# KiCad board lakemountain.kicad_pcb
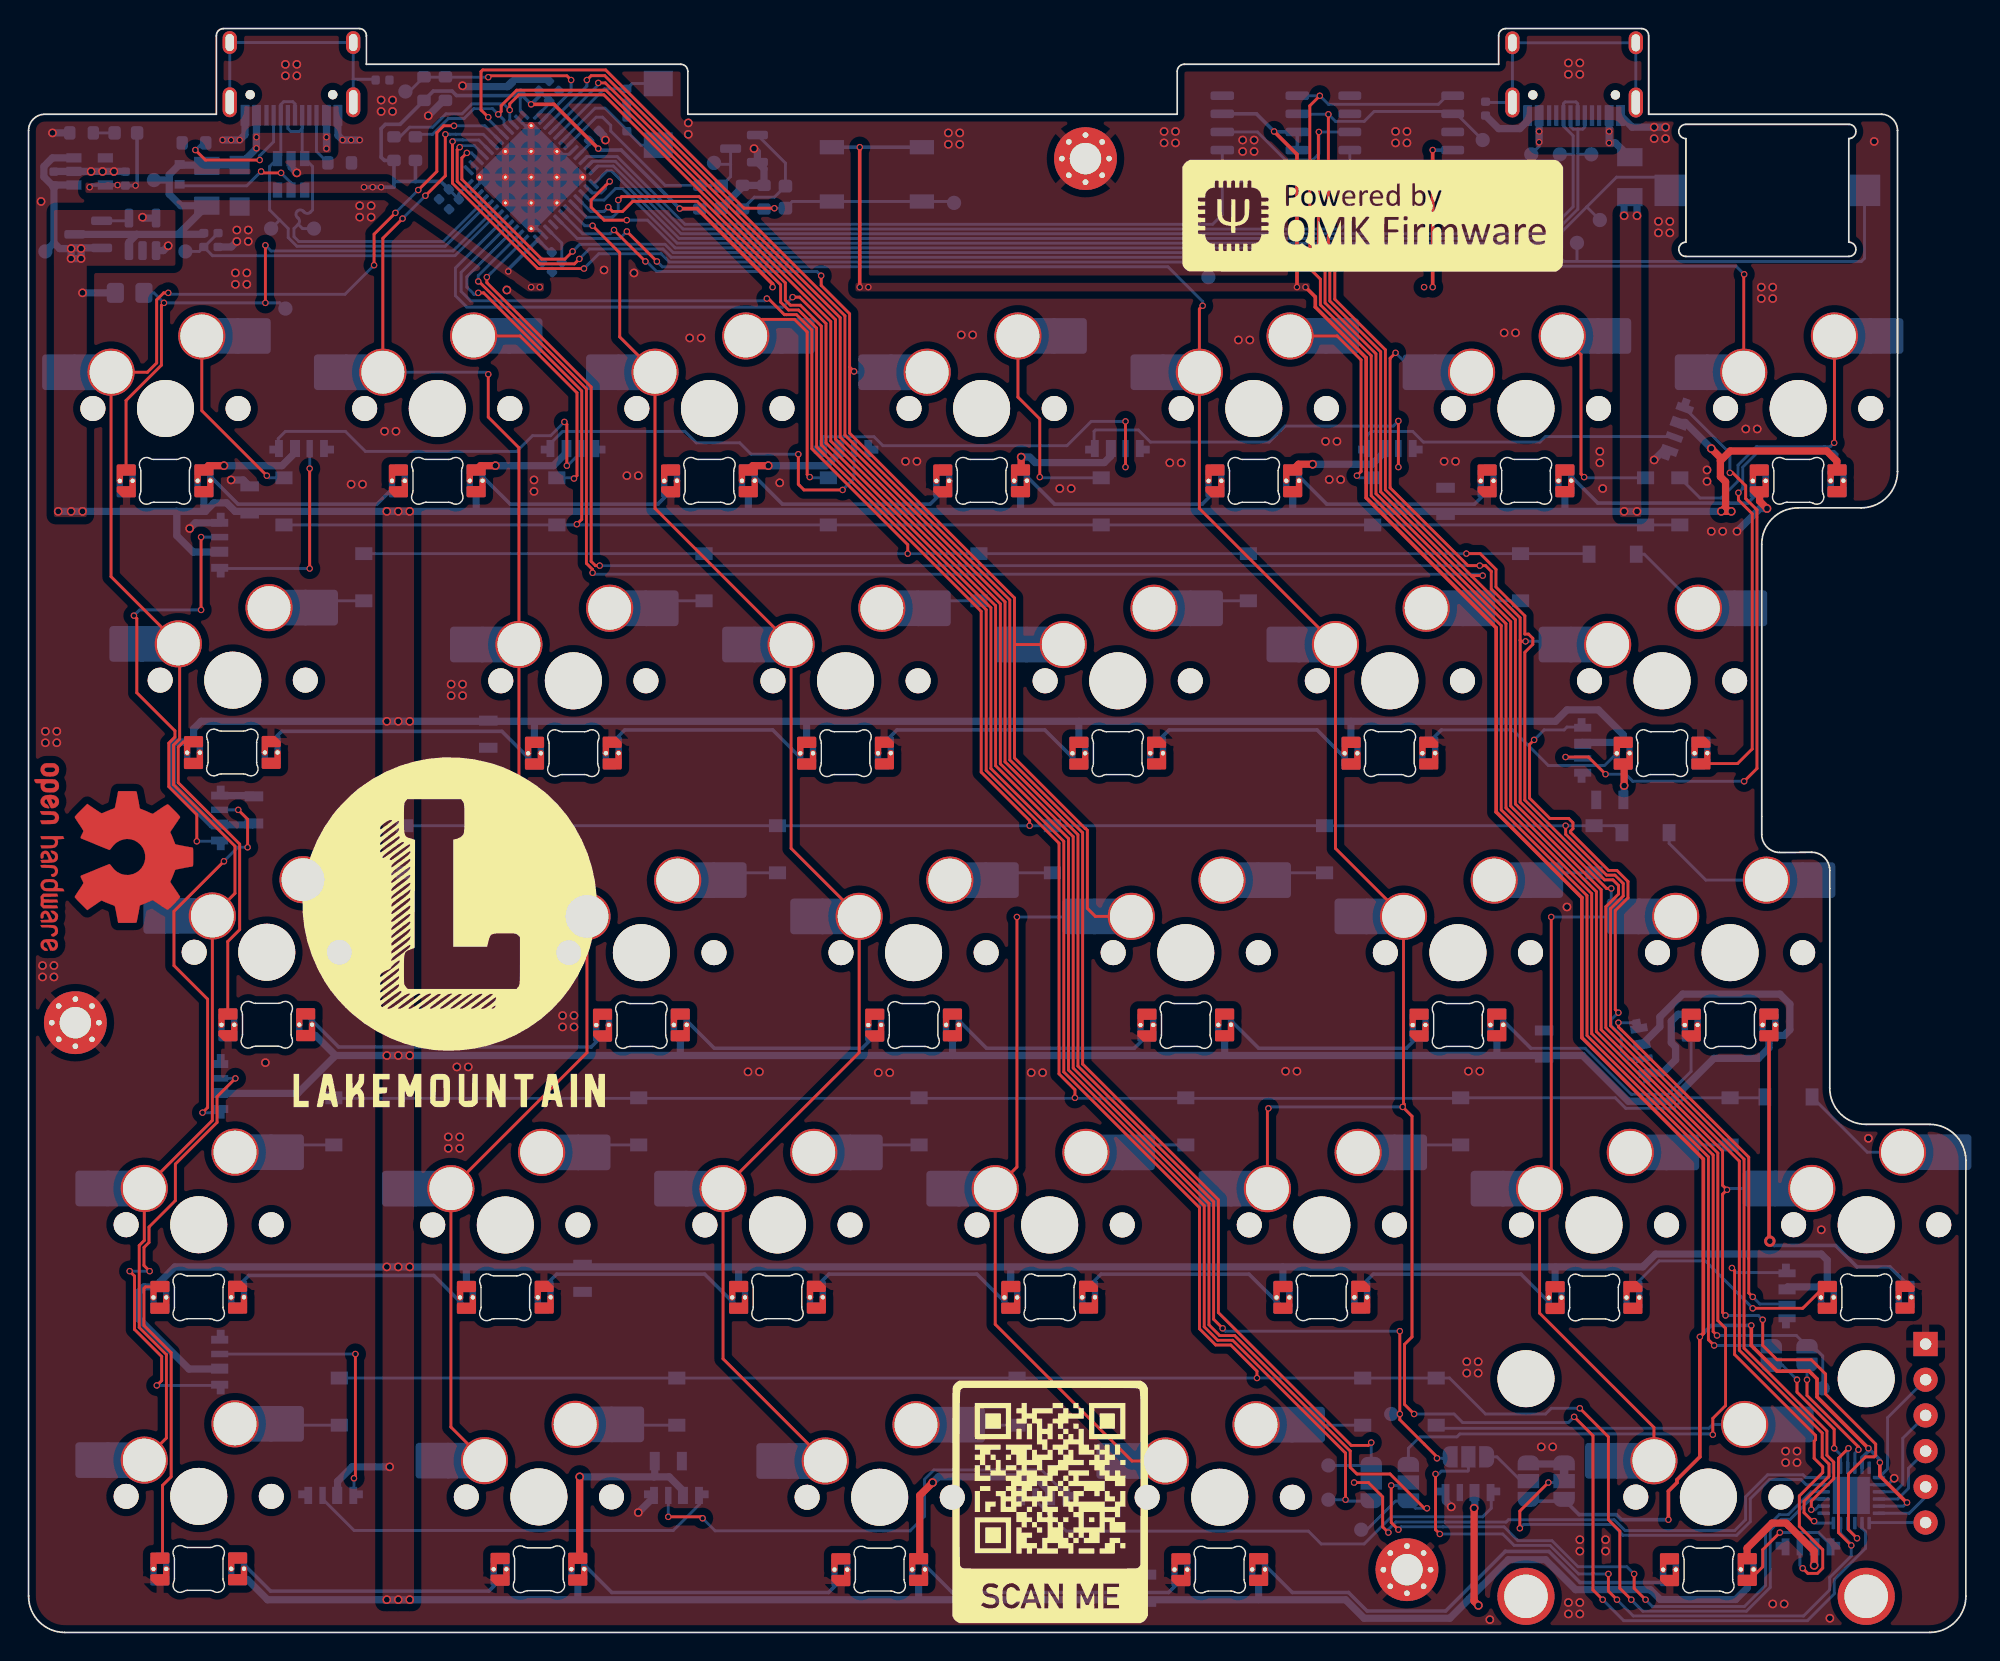
[diagram p0: board, top side]
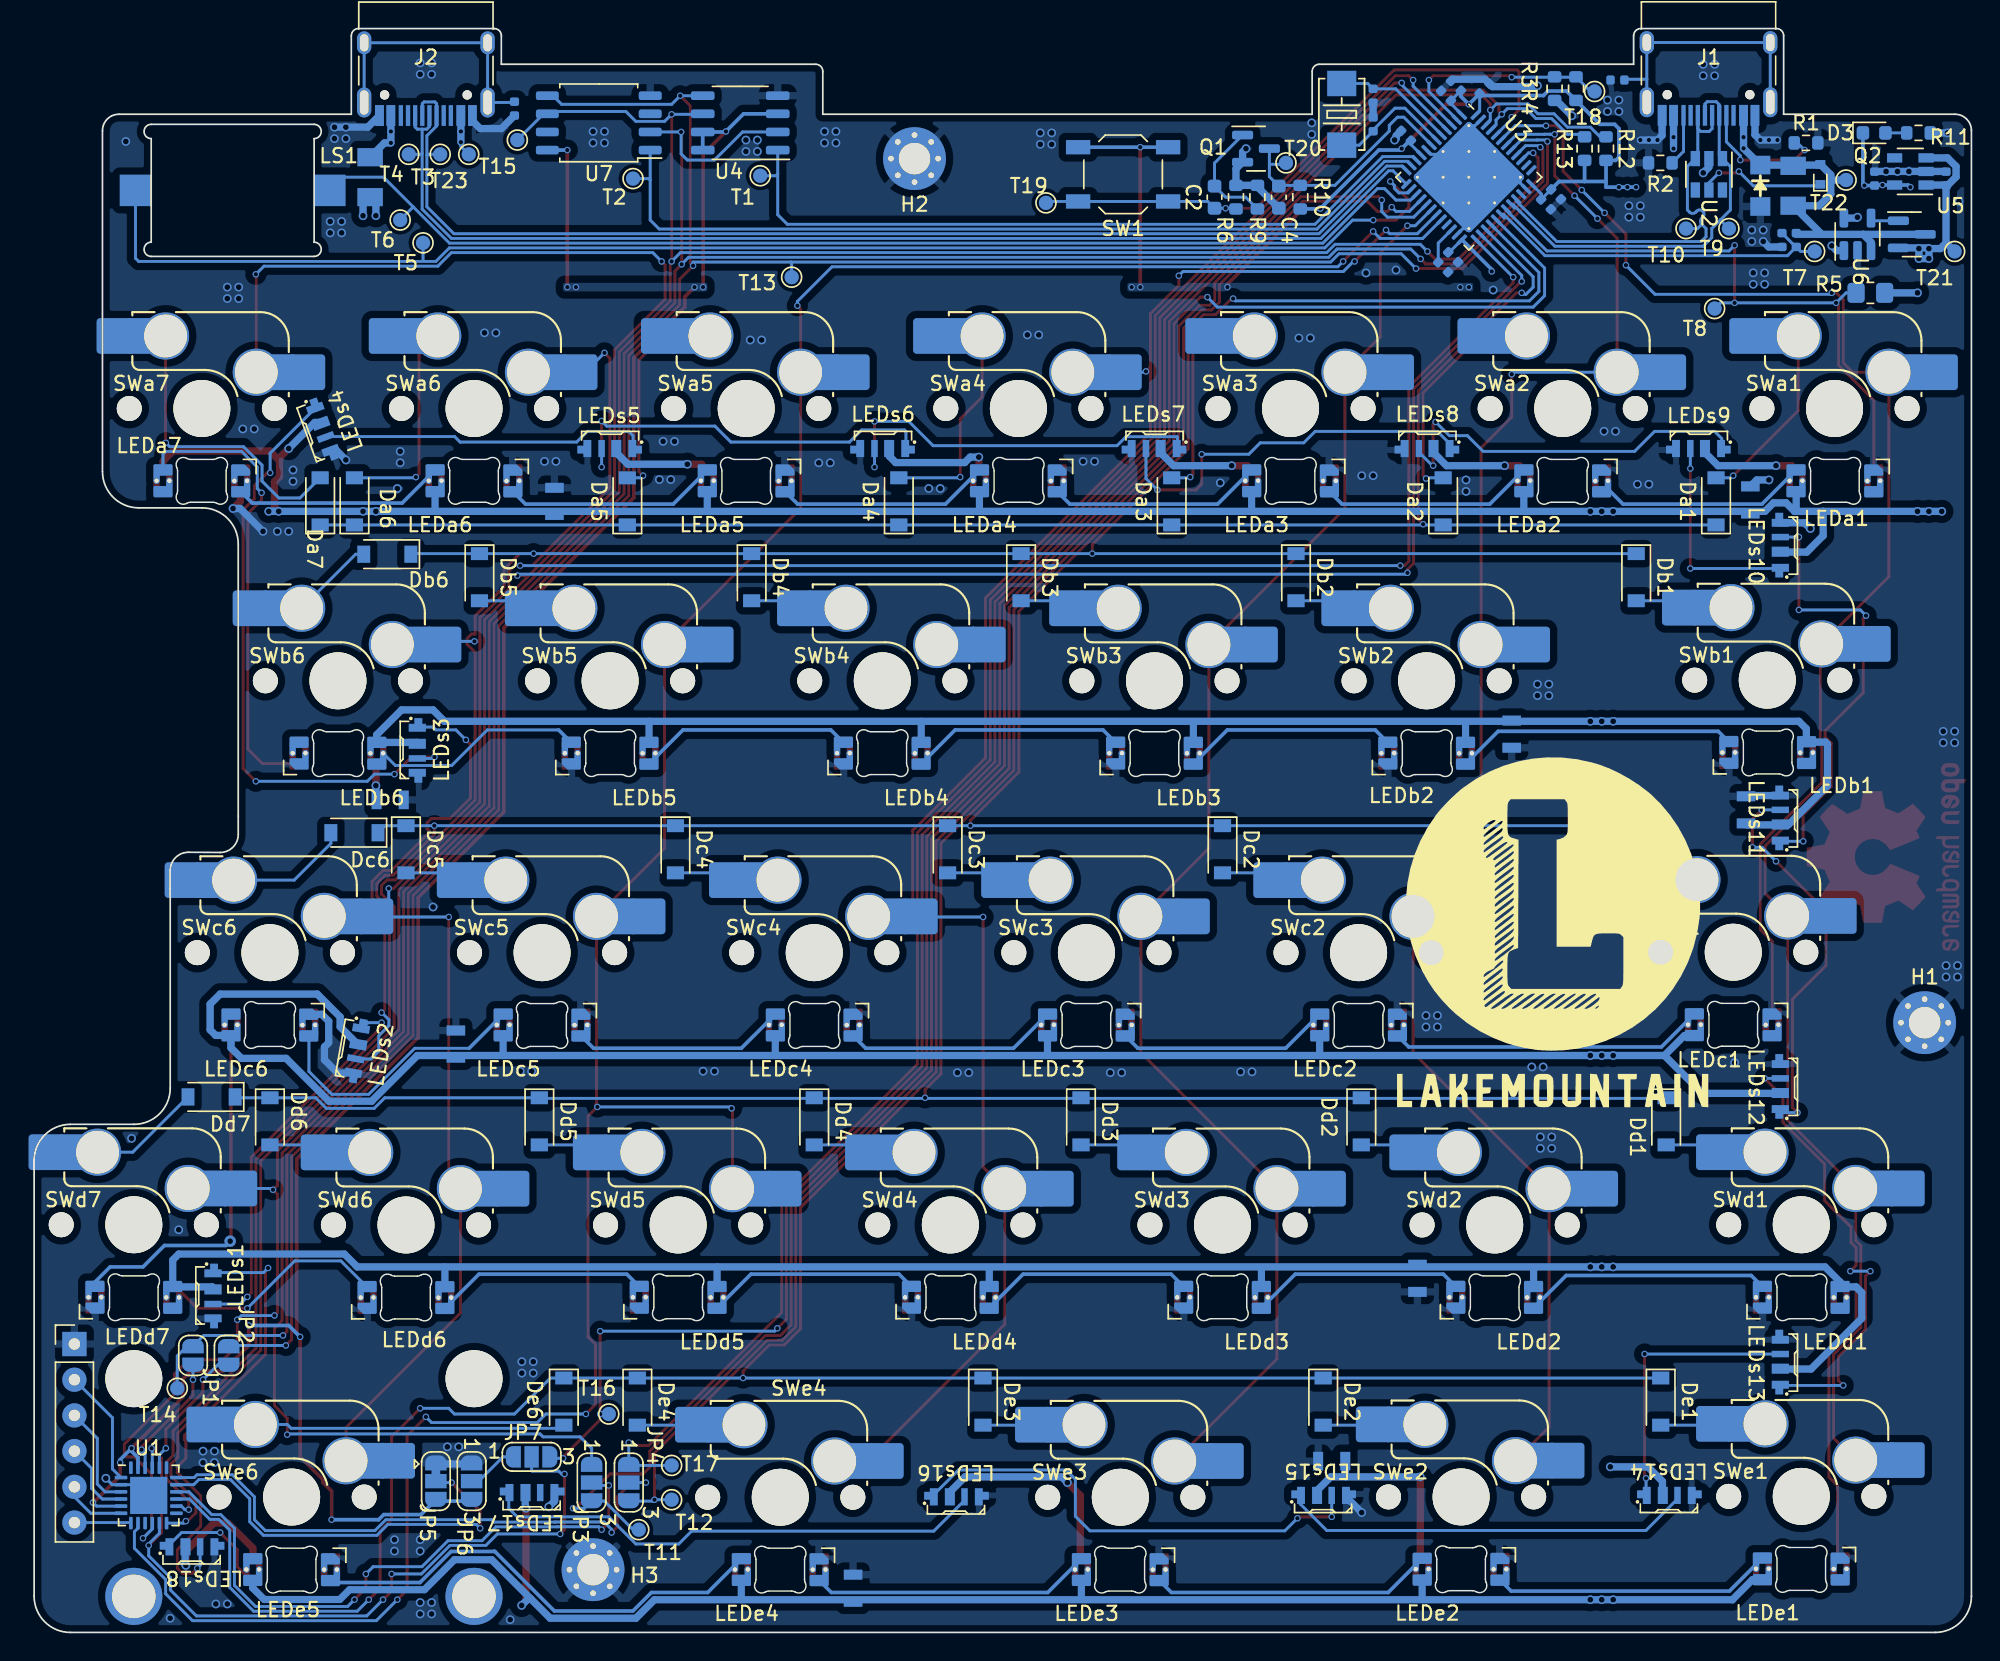
[diagram p1: board, bottom side, seen from below]

Outline 135.6 x 112.3 mm; copper layers: Top, Bottom. Coordinates in mm from the lower left corner of the outline.
Outline path: 0,105.16 arc(0.33,105.96) 1.14,106.3 13.14,106.3 13.14,111.8 arc(13.29,112.15) 13.64,112.3 23.14,112.3 arc(23.5,112.15) 23.64,111.8 23.64,109.8 45.64,109.8 arc(46,109.65) 46.14,109.3 46.14,106.3 80.39,106.3 80.39,109.3 arc(80.54,109.65) 80.89,109.8 102.89,109.8 102.89,111.8 arc(103.04,112.15) 103.39,112.3 112.89,112.3 arc(113.25,112.15) 113.39,111.8 113.39,106.3 129.67,106.3 arc(130.48,105.96) 130.81,105.16 130.81,81.28 arc(130.07,79.48) 128.27,78.74 123.85,78.74 arc(122.05,78) 121.31,76.2 121.31,55.88 arc(121.68,54.98) 122.58,54.61 124.8,54.62 arc(125.7,54.25) 126.07,53.35 126.07,38.11 arc(126.81,36.32) 128.61,35.57 133.06,35.57 arc(134.85,34.83) 135.6,33.03 135.6,2.54 arc(134.85,0.74) 133.06,0 2.54,0 arc(0.74,0.74) 0,2.54 0,105.16
Stack: Top 0.035mm / dielectric 1.51mm FR4 er 4.5 / Bottom 0.035mm

## Placement (name value [footprint] x y rotation side)
C1  cap_1uF_10v_0402  [C_0402_1005Metric]  1.77 101.79 90 bottom
C2  10u  [C_0603_1608Metric]  52.98 100.49 90 bottom
C3  cap_1uF_10v_0402  [C_0402_1005Metric]  6.77 101.79 90 bottom
C4  1u  [C_0603_1608Metric]  48.48 100.49 270 bottom
C5  cap_4.7uF_10v_0402  [C_0402_1005Metric]  36.98 95.59 225 bottom
C6  100n  [C_0805]  110.67 58.29 180 bottom
C7  100n  [C_0805]  44.77 11.99 180 bottom
C8  cap_20pF_50v_0402  [C_0402_1005Metric]  41.88 107.59 270 bottom
C9  cap_20pF_50v_0402  [C_0402_1005Metric]  41.88 105.59 90 bottom
C10  cap_100nF_16v_0402  [C_0402_1005Metric]  36.07 108.29 45 bottom
C11  cap_100nF_16v_0402  [C_0402_1005Metric]  36.77 107.59 45 bottom
C12  100n  [C_0805]  15.77 57.59 90 bottom
C13  cap_100nF_16v_0402  [C_0402_1005Metric]  34.07 108.09 135 bottom
C14  cap_100nF_16v_0402  [C_0402_1005Metric]  29.07 100.69 225 bottom
C15  cap_4.7uF_10v_0402  [C_0402_1005Metric]  36.27 96.29 225 bottom
C16  cap_100nF_16v_0402  [C_0402_1005Metric]  39.57 104.79 45 bottom
C17  cap_100nF_16v_0402  [C_0402_1005Metric]  29.77 99.99 225 bottom
C18  10u  [C_0805]  15.48 79.29 90 bottom
C19  100n  [C_0805]  99.17 79.19 90 bottom
C20  100n  [C_0805]  32.18 62.89 90 bottom
C21  100n  [C_0805]  106.07 41.19 90 bottom
C22  100n  [C_0805]  38.77 24.79 90 bottom
C23  100n  [C_0805]  78.28 3.09 90 bottom
D1  PMEG2010AEB  [D_SOD-523]  10.57 102.09 90 bottom
D2  SMF5.0A  [D_SOD-123FL]  14.77 101.29 270 bottom
D3  LED  [LED_0603_1608Metric]  6.81 104.99 180 bottom
Da1  D  [D_SOD-123]  17.88 79.19 90 bottom
Da2  D  [D_SOD-123]  36.98 79.19 90 bottom
Da3  D  [D_SOD-123]  55.98 79.19 90 bottom
Da4  D  [D_SOD-123]  75.07 79.19 90 bottom
Da5  D  [D_SOD-123]  94.07 79.19 90 bottom
Da6  D  [D_SOD-123]  113.17 79.19 90 bottom
Da7  D  [D_SOD-123]  115.57 79.19 90 bottom
Db1  D  [D_SOD-123]  23.46 73.88 270 bottom
Db2  D  [D_SOD-123]  47.27 73.88 270 bottom
Db3  D  [D_SOD-123]  66.51 73.88 270 bottom
Db4  D  [D_SOD-123]  85.37 73.88 270 bottom
Db5  D  [D_SOD-123]  104.42 73.88 270 bottom
Db6  D  [D_SOD-123]  110.88 75.49 0 bottom
Dc1  D  [D_SOD-123]  26.32 54.83 270 bottom
Dc2  D  [D_SOD-123]  52.42 54.83 270 bottom
Dc3  D  [D_SOD-123]  71.66 54.83 270 bottom
Dc4  D  [D_SOD-123]  90.71 54.83 270 bottom
Dc5  D  [D_SOD-123]  109.57 54.83 270 bottom
Dc6  D  [D_SOD-123]  113.17 55.99 0 bottom
Dd1  D  [D_SOD-123]  21.37 35.78 270 bottom
Dd2  D  [D_SOD-123]  42.7 35.78 270 bottom
Dd3  D  [D_SOD-123]  62.32 35.78 270 bottom
Dd4  D  [D_SOD-123]  80.99 35.78 270 bottom
Dd5  D  [D_SOD-123]  100.23 35.78 270 bottom
Dd6  D  [D_SOD-123]  119.09 35.78 270 bottom
Dd7  D  [D_SOD-123]  123.17 37.49 0 bottom
De1  D  [D_SOD-123]  21.75 16.16 270 bottom
De2  D  [D_SOD-123]  45.37 16.16 270 bottom
De3  D  [D_SOD-123]  69.18 16.16 270 bottom
De4  D  [D_SOD-123]  93.38 16.16 270 bottom
De6  D  [D_SOD-123]  98.52 16.16 270 bottom
F1  3A  [F1206]  12.48 101.29 90 bottom
F2  1.5A  [F1206]  112.07 101.89 270 bottom
FB1  fb_0402_26ohm  [R_0402_1005Metric]  24.77 108.69 0 bottom
FB2  fb_0402_26ohm  [R_0402_1005Metric]  101.97 106.69 270 bottom
G***  -  [LOGO]  71.57 9.19 0 top
G***#2  -  [LOGO]  29.77 49.89 0 top
G***#3  -  [LOGO]  28.98 49.89 180 bottom
H1  M2  [MountingHole_2.2mm_M2_Pad_Via]  3.27 42.69 180 bottom
H2  M2  [MountingHole_2.2mm_M2_Pad_Via]  73.97 103.19 180 bottom
H3  M2  [MountingHole_2.2mm_M2_Pad_Via]  96.47 4.39 180 bottom
J1  USB_EXT  [USB_C_Receptacle_HRO_TYPE-C-31-M-12]  18.4 110.27 0 bottom
J2  USB_Link  [USB_C_Receptacle_HRO_TYPE-C-31-M-12]  108.17 110.25 0 bottom
J3  Conn_01x06  [PogoPin_1x06_P2.5]  132.78 20.19 180 bottom
JP1  SPI_SEL  [SolderJumper-2_P1.3mm_Open_RoundedPad1.0x1.5mm]  124.47 19.39 90 bottom
JP2  SPI_SEL  [SolderJumper-2_P1.3mm_Open_RoundedPad1.0x1.5mm]  121.97 19.39 90 bottom
JP3  I2C/SPI  [SolderJumper-3_P1.3mm_Open_RoundedPad1.0x1.5mm_NumberLabels]  96.57 10.49 270 bottom
JP4  I2C/SPI  [SolderJumper-3_P1.3mm_Open_RoundedPad1.0x1.5mm_NumberLabels]  93.97 10.49 270 bottom
JP5  MUX_EN  [SolderJumper-3_P1.3mm_Bridged12_RoundedPad1.0x1.5mm]  107.47 10.59 270 bottom
JP6  MUX_SEL  [SolderJumper-3_P1.3mm_Open_RoundedPad1.0x1.5mm_NumberLabels]  104.97 10.59 270 bottom
JP7  MUX_SEL  [SolderJumper-3_P1.3mm_Open_RoundedPad1.0x1.5mm_NumberLabels]  100.78 12.29 180 bottom
LEDa1  MX_SK6812MINI-E  [LED_MX_6028R_Flipped]  9.56 80.63 180 bottom
LEDa2  MX_SK6812MINI-E  [LED_MX_6028R_Flipped]  28.61 80.63 180 bottom
LEDa3  MX_SK6812MINI-E  [LED_MX_6028R_Flipped]  47.66 80.63 180 bottom
LEDa4  MX_SK6812MINI-E  [LED_MX_6028R_Flipped]  66.71 80.63 180 bottom
LEDa5  MX_SK6812MINI-E  [LED_MX_6028R_Flipped]  85.76 80.63 180 bottom
LEDa6  MX_SK6812MINI-E  [LED_MX_6028R_Flipped]  104.81 80.63 180 bottom
LEDa7  MX_SK6812MINI-E  [LED_MX_6028R_Flipped]  123.86 80.63 180 bottom
LEDb1  MX_SK6812MINI-E  [LED_MX_6028R]  14.26 61.61 180 bottom
LEDb2  MX_SK6812MINI-E  [LED_MX_6028R]  38.13 61.57 180 bottom
LEDb3  MX_SK6812MINI-E  [LED_MX_6028R]  57.18 61.57 180 bottom
LEDb4  MX_SK6812MINI-E  [LED_MX_6028R]  76.23 61.57 180 bottom
LEDb5  MX_SK6812MINI-E  [LED_MX_6028R]  95.28 61.57 180 bottom
LEDb6  MX_SK6812MINI-E  [LED_MX_6028R]  114.33 61.57 180 bottom
LEDc1  MX_SK6812MINI-E  [LED_MX_6028R_Flipped]  16.67 42.55 180 bottom
LEDc2  MX_SK6812MINI-E  [LED_MX_6028R_Flipped]  42.89 42.53 180 bottom
LEDc3  MX_SK6812MINI-E  [LED_MX_6028R_Flipped]  61.94 42.53 180 bottom
LEDc4  MX_SK6812MINI-E  [LED_MX_6028R_Flipped]  80.99 42.53 180 bottom
LEDc5  MX_SK6812MINI-E  [LED_MX_6028R_Flipped]  100.04 42.53 180 bottom
LEDc6  MX_SK6812MINI-E  [LED_MX_6028R_Flipped]  119.09 42.53 180 bottom
LEDd1  MX_SK6812MINI-E  [LED_MX_6028R]  11.91 23.47 180 bottom
LEDd2  MX_SK6812MINI-E  [LED_MX_6028R]  33.37 23.47 180 bottom
LEDd3  MX_SK6812MINI-E  [LED_MX_6028R]  52.42 23.47 180 bottom
LEDd4  MX_SK6812MINI-E  [LED_MX_6028R]  71.47 23.47 180 bottom
LEDd5  MX_SK6812MINI-E  [LED_MX_6028R]  90.52 23.47 180 bottom
LEDd6  MX_SK6812MINI-E  [LED_MX_6028R]  109.57 23.45 180 bottom
LEDd7  MX_SK6812MINI-E  [LED_MX_6028R]  128.62 23.47 180 bottom
LEDe1  MX_SK6812MINI-E  [LED_MX_6028R_Flipped]  11.91 4.45 180 bottom
LEDe2  MX_SK6812MINI-E  [LED_MX_6028R_Flipped]  35.72 4.42 180 bottom
LEDe3  MX_SK6812MINI-E  [LED_MX_6028R_Flipped]  59.57 4.4 180 bottom
LEDe4  MX_SK6812MINI-E  [LED_MX_6028R_Flipped]  83.37 4.4 180 bottom
LEDe5  MX_SK6812MINI-E  [LED_MX_6028R_Flipped]  117.57 4.4 180 bottom
LEDs1  MX_SK6812MINI-E  [sk6812side]  123.28 23.59 270 bottom
LEDs2  MX_SK6812MINI-E  [sk6812side]  113.17 40.79 280 bottom
LEDs3  MX_SK6812MINI-E  [sk6812side]  108.97 61.79 270 bottom
LEDs4  MX_SK6812MINI-E  [sk6812side]  115.57 84.19 250 bottom
LEDs5  MX_SK6812MINI-E  [sk6812side]  95.28 83.09 0 bottom
LEDs6  MX_SK6812MINI-E  [sk6812side]  76.17 83.09 0 bottom
LEDs7  MX_SK6812MINI-E  [sk6812side]  57.18 83.09 0 bottom
LEDs8  MX_SK6812MINI-E  [sk6812side]  38.07 83.09 0 bottom
LEDs9  MX_SK6812MINI-E  [sk6812side]  19.07 83.09 0 bottom
LEDs10  MX_SK6812MINI-E  [sk6812side]  13.18 76.09 90 bottom
LEDs11  MX_SK6812MINI-E  [sk6812side]  13.18 56.99 90 bottom
LEDs12  MX_SK6812MINI-E  [sk6812side]  13.18 38.19 90 bottom
LEDs13  MX_SK6812MINI-E  [sk6812side]  13.18 18.89 90 bottom
LEDs14  MX_SK6812MINI-E  [sk6812side]  21.18 9.39 180 bottom
LEDs15  MX_SK6812MINI-E  [sk6812side]  45.38 9.39 180 bottom
LEDs16  MX_SK6812MINI-E  [sk6812side]  71.07 9.29 180 bottom
LEDs17  MX_SK6812MINI-E  [sk6812side]  100.78 9.59 180 bottom
LEDs18  MX_SK6812MINI-E  [sk6812side]  124.57 5.79 180 bottom
LOGO1  QMK Logo  [QMK_PoweredBy]  94.07 99.19 0 top
LS1  Buzzer  [Buzzer_Mallory_AST1109MLTRQ]  121.7 100.97 0 bottom
Q1  2N7002  [SOT-23]  50.07 103.89 180 bottom
Q2  AO3401A  [SOT-23]  4.18 97.89 180 bottom
R1  5.1k  [R_0603_1608Metric]  11.57 104.29 0 bottom
R2  5.1k  [R_0603_1608Metric]  21.77 102.89 180 bottom
R3  10k  [R_0603_1608Metric]  27.68 108.09 90 bottom
R4  10k  [R_0603_1608Metric]  29.18 108.09 270 bottom
R5  5.1k  [R_0805_2012Metric_Pad1.20x1.40mm_HandSolder]  7.07 93.79 180 bottom
R6  10k  [R_0603_1608Metric]  51.48 100.49 90 bottom
R7  r_4.7k_0402_1p  [R_0402_1005Metric]  12.26 97.49 270 bottom
R8  r_10k_0402_1p  [R_0402_1005Metric]  13.26 97.49 270 bottom
R9  100k  [R_0603_1608Metric]  49.98 100.49 90 bottom
R10  10k  [R_0603_1608Metric]  46.98 100.49 90 bottom
R11  2k2  [R_0603_1608Metric]  3.71 104.99 180 bottom
R12  5.1k  [R_0603_1608Metric]  25.57 103.89 90 bottom
R13  5.1k  [R_0603_1608Metric]  27.07 103.89 90 bottom
REF**  -  [OSHW-Logo2_14.6x12mm_Copper]  5.98 54.29 270 top
S2  MX_stab  [STAB_MX_P_2.25u]  116.71 9.51 180 top
SW1  Reset  [SW_SPST_TL3342]  59.38 102.09 0 bottom
SWa1  MX_SW_HS  [SW_MX_HS_1u]  9.58 85.7 180 bottom
SWa2  MX_SW_HS  [SW_MX_HS_1u]  28.61 85.7 180 bottom
SWa3  MX_SW_HS  [SW_MX_HS_1u]  47.66 85.7 180 bottom
SWa4  MX_SW_HS  [SW_MX_HS_1u]  66.71 85.7 180 bottom
SWa5  MX_SW_HS  [SW_MX_HS_1u]  85.76 85.7 180 bottom
SWa6  MX_SW_HS  [SW_MX_HS_1u]  104.81 85.7 180 bottom
SWa7  MX_SW_HS  [SW_MX_HS_1u]  123.86 85.7 180 bottom
SWb1  MX_SW_HS  [SW_MX_HS_1.5u]  14.29 66.68 180 bottom
SWb2  MX_SW_HS  [SW_MX_HS_1u]  38.13 66.63 180 bottom
SWb3  MX_SW_HS  [SW_MX_HS_1u]  57.18 66.63 180 bottom
SWb4  MX_SW_HS  [SW_MX_HS_1u]  76.23 66.63 180 bottom
SWb5  MX_SW_HS  [SW_MX_HS_1u]  95.28 66.63 180 bottom
SWb6  MX_SW_HS  [SW_MX_HS_1u]  114.33 66.63 180 bottom
SWc1  MX_SW_HS  [SW_MX_HS_1.75u]  16.67 47.63 180 bottom
SWc2  MX_SW_HS  [SW_MX_HS_1u]  42.89 47.6 180 bottom
SWc3  MX_SW_HS  [SW_MX_HS_1u]  61.94 47.6 180 bottom
SWc4  MX_SW_HS  [SW_MX_HS_1u]  80.99 47.6 180 bottom
SWc5  MX_SW_HS  [SW_MX_HS_1u]  100.04 47.6 180 bottom
SWc6  MX_SW_HS  [SW_MX_HS_1u]  119.09 47.6 180 bottom
SWd1  MX_SW_HS  [SW_MX_HS_1.25u]  11.91 28.55 180 bottom
SWd2  MX_SW_HS  [SW_MX_HS_1u]  33.37 28.53 180 bottom
SWd3  MX_SW_HS  [SW_MX_HS_1u]  52.42 28.53 180 bottom
SWd4  MX_SW_HS  [SW_MX_HS_1u]  71.47 28.53 180 bottom
SWd5  MX_SW_HS  [SW_MX_HS_1u]  90.52 28.53 180 bottom
SWd6  MX_SW_HS  [SW_MX_HS_1u]  109.57 28.53 180 bottom
SWd7  MX_SW_HS  [SW_MX_HS_1u]  128.62 28.55 180 bottom
SWe1  MX_SW_HS  [SW_MX_HS_1.25u]  11.91 9.53 180 bottom
SWe2  MX_SW_HS  [SW_MX_HS_1.25u]  35.72 9.49 180 bottom
SWe3  MX_SW_HS  [SW_MX_HS_1.25u]  59.57 9.46 180 bottom
SWe4  MX_SW_HS  [SW_MX_HS_1.25u]  83.37 9.46 180 bottom
SWe6  MX_SW_HS  [SW_MX_HS_1.25u]  117.57 9.48 180 bottom
T1  TP  [TestPoint_Pad_D1.0mm]  84.78 101.99 180 bottom
T2  TP  [TestPoint_Pad_D1.0mm]  93.67 101.79 180 bottom
T3  TP  [TestPoint_Pad_D1.0mm]  107.17 103.49 180 bottom
T4  TP  [TestPoint_Pad_D1.0mm]  109.38 103.49 180 bottom
T5  TP  [TestPoint_Pad_D1.0mm]  108.38 97.29 180 bottom
T6  TP  [TestPoint_Pad_D1.0mm]  109.97 98.89 180 bottom
T7  TP  [TestPoint_Pad_D1.0mm]  10.98 96.69 180 bottom
T8  TP  [TestPoint_Pad_D1.0mm]  17.98 92.69 180 bottom
T9  TP  [TestPoint_Pad_D1.0mm]  16.98 98.29 180 bottom
T10  TP  [TestPoint_Pad_D1.0mm]  19.98 98.29 180 bottom
T11  TP  [TestPoint_Pad_D1.0mm]  93.28 7.19 180 bottom
T12  TP  [TestPoint_Pad_D1.0mm]  90.97 9.29 180 bottom
T13  TP  [TestPoint_Pad_D1.0mm]  82.57 94.89 180 bottom
T14  TP  [TestPoint_Pad_D1.0mm]  125.57 17.09 180 bottom
T15  TP  [TestPoint_Pad_D1.0mm]  101.78 104.49 180 bottom
T16  TP  [TestPoint_Pad_D1.0mm]  95.38 15.29 180 bottom
T17  TP  [TestPoint_Pad_D1.0mm]  90.97 11.69 180 bottom
T18  TP  [TestPoint_Pad_D1.0mm]  26.38 107.89 180 bottom
T19  TP  [TestPoint_Pad_D1.0mm]  64.78 100.09 180 bottom
T20  TP  [TestPoint_Pad_D1.0mm]  47.98 102.89 180 bottom
T21  TP  [TestPoint_Pad_D1.0mm]  1.18 96.69 180 bottom
T22  TP  [TestPoint_Pad_D1.0mm]  8.77 101.69 180 bottom
T23  TP  [TestPoint_Pad_D1.0mm]  105.17 103.49 180 bottom
U1  TS3A27518ERTW  [WQFN-24-1EP_4x4mm_P0.5mm_EP2.6x2.6mm]  127.57 9.59 180 bottom
U2  SRV05-4  [SOT-23-6]  18.38 102.09 270 bottom
U3  STM32F411CEU6  [QFN-48-1EP_7x7mm_P0.5mm_EP5.6x5.6mm_ThermalVias]  35.18 101.89 225 bottom
U4  MB85RS64PNF-G-JNERE1  [SOP-8_3.9x4.9mm_P1.27mm]  86.17 105.69 0 bottom
U5  AAP2967-33VIR1  [SOT-23-5#2]  4.27 102.29 180 bottom
U6  LMV321  [SOT-23-5]  7.98 97.89 90 bottom
U7  W25Q128JVSIQ  [SOIC-8_5.23x5.23mm_P1.27mm]  96.07 105.69 0 bottom
Y1  SMD-CRYSTAL-8MHZ-20PF-10PPM_2P-5.0X3.2MM_  [X2-SMD-5.0X3.2X1.3MM]  44.07 106.29 270 bottom

## Library data of the parts
C1 C3 = -: Display value: 1uF; LCSC: C52923; MPN: CC0402KRX5R6BB105; Mfg: Yageo
C2 = -: LCSC: C19702
C4 = -: JLCPCB BOM: 1; LCSC Part: C15849
C5 C15 = -: Display value: 4.7uF; LCSC: C23733; MPN: CL05A475MP5NRNC; Mfg: Samsung
C6 C7 C12 C19-C23 = -: LCSC: C495959
C8 C9 = -: Display value: 20pF; LCSC: C1554; MPN: 0402CG200J500NT; Mfg: Guangdong Fenghua Advanced Tech
C10 C11 C13 C14 C16 C17 = -: Display value: 0.1uF; LCSC: C1525; MPN: CL05B104KO5NNNC; Mfg: Samsung
C18 = -: LCSC: C90544
D1 = -: LCSC: C282563
D2 = -: LCSC: C193402
D3 = -: JLCPCB BOM: 0; LCSC Part: C72041
Da1-Da7 Db1-Db6 Dc1-Dc6 Dd1-Dd7 De1-De4 De6 = -: LCSC: C81598
F1 F2 = -: LCSC: C66452; MPN: SMD0805-050
FB1 FB2 = -: Display value: 26ohm; LCSC: C668229; MPN: CBG100505U260T; Mfg: FH
J1 J2 = -: LCSC: C165948; Mouser: C165948
LEDa1-LEDa7 LEDb1-LEDb6 LEDc1-LEDc6 LEDd1-LEDd7 LEDe1-LEDe5 = -: Field5: 1
Q1 = -: JLCPCB BOM: 1; LCSC Part: C8545
Q2 = -: JLCPCB BOM: 1; LCSC Part: C15127
R1 R2 R5 R12 R13 = -: LCSC: C104384; Mouser: C27834
R3 = -: JLCPCB BOM: 1; LCSC: C25804
R4 = -: JLCPCB BOM: 0; LCSC: C25804
R6 R10 = -: LCSC: C25804
R7 = -: Display value: 4.7k; LCSC: C25900; MPN: 0402WGF4701TCE
R8 = -: Display value: 10k; LCSC: C25744; MPN: 0402WGF1002TCE
R9 = -: LCSC: C25803
R11 = -: LCSC: C4190
SW1 = -: LCSC: C318884; Mouser: C318884
U1 = -: LCSC: C2651937
U2 = -: LCSC: C85364
U3 = -: LCSC: C60420
U4 = -: LCSC: C8741
U5 = -: LCSC: C370742
U6 = -: JLCPCB BOM: 1; LCSC Part: C90297
U7 = -: LCSC: C97521
Y1 = -: LCSC: C115962; MPN: X50328MSB2GI

## Footprints (pads in the part's own frame, mm; a bottom-side part is the same pattern mirrored in y, then rotated)
Buzzer_Mallory_AST1109MLTRQ
  rect 2.2x2.2 smd: 1(-6.8,0) 2(6.8,0)
C_0402_1005Metric
  rrect 0.59x0.64 smd: 1(-0.485,0) 2(0.485,0)
C_0603_1608Metric
  rrect 0.9x0.95 smd: 1(-0.775,0) 2(0.775,0)
C_0805
  rect 0.7x1.3 smd: 1(-0.95,0) 2(0.95,0)
D_SOD-123
  rect 0.9x1.2 smd: 1(-1.65,0) 2(1.65,0)
D_SOD-123FL
  rect 1.3x1.4 smd: 1(-1.45,0) 2(1.45,0)
D_SOD-523
  rect 0.6x0.7 smd: 1(-0.7,0) 2(0.7,0)
F1206
  rect 1.27x1.778 smd: 1(-1.397,0) 2(1.397,0)
LED_0603_1608Metric
  rrect 0.875x0.95 smd: 1(-0.787,0) 2(0.787,0)
LED_MX_6028R
  round 0.457 hole 0.305: 1(2.274,-0.01) 2(3.168,-0.01) 3(-3.168,0) 4(-2.274,0)
  custom 1.342x1.17 smd far side: 1(2.71,-0.74) 2(2.73,0.73) 3(-2.732,-0.73)
  custom 1.342x1.17 smd: 1(2.71,0.73) 2(2.73,-0.74) 3(-2.732,0.74)
  custom 1.338x1.25 smd: 4(-2.7,-0.75)
  custom 1.338x1.25 smd far side: 4(-2.7,0.76)
LED_MX_6028R_Flipped
  custom 1.342x1.17 smd: 1(-2.71,-0.73) 2(-2.73,0.74) 3(2.732,-0.74)
  custom 1.342x1.17 smd far side: 1(-2.71,0.74) 2(-2.73,-0.73) 3(2.732,0.73)
  round 0.457 hole 0.305: 1(-2.274,0.01) 2(-3.168,0.01) 3(3.168,0) 4(2.274,0)
  custom 1.338x1.25 smd far side: 4(2.7,-0.76)
  custom 1.338x1.25 smd: 4(2.7,0.75)
MountingHole_2.2mm_M2_Pad_Via
  round 0.7 hole 0.4: 1(-1.65,0) 1(-1.167,-1.167) 1(-1.167,1.167) 1(0,-1.65) 1(0,1.65) 1(1.167,-1.167) 1(1.167,1.167) 1(1.65,0)
  round 4.4 hole 2.2: 1(0,0)
PogoPin_1x06_P2.5
  rect 1.7x1.7 hole 0.8: 1(0,0)
  oval 1.7x1.7 hole 0.8: 2(0,-2.5) 3(0,-5) 4(0,-7.5) 5(0,-10) 6(0,-12.5)
QFN-48-1EP_7x7mm_P0.5mm_EP5.6x5.6mm_ThermalVias
  rrect 1.084x1.084 smd: (-1.913,-1.913) (-1.913,-0.637) (-1.913,0.637) (-1.913,1.913) (-0.637,-1.913) (-0.637,-0.637) (-0.637,0.637) (-0.637,1.913) (0.637,-1.913) (0.637,-0.637) (0.637,0.637) (0.637,1.913) (1.913,-1.913) (1.913,-0.637) (1.913,0.637) (1.913,1.913)
  rrect 0.875x0.25 smd: 1(-3.438,2.75) 2(-3.438,2.25) 3(-3.438,1.75) 4(-3.438,1.25) 5(-3.438,0.75) 6(-3.438,0.25) 7(-3.438,-0.25) 8(-3.438,-0.75) 9(-3.438,-1.25) 10(-3.438,-1.75) 11(-3.438,-2.25) 12(-3.438,-2.75) 25(3.438,-2.75) 26(3.438,-2.25) 27(3.438,-1.75) 28(3.438,-1.25) 29(3.438,-0.75) 30(3.438,-0.25) 31(3.438,0.25) 32(3.438,0.75) 33(3.438,1.25) 34(3.438,1.75) 35(3.438,2.25) 36(3.438,2.75)
  rrect 0.25x0.875 smd: 13(-2.75,-3.438) 14(-2.25,-3.438) 15(-1.75,-3.438) 16(-1.25,-3.438) 17(-0.75,-3.438) 18(-0.25,-3.438) 19(0.25,-3.438) 20(0.75,-3.438) 21(1.25,-3.438) 22(1.75,-3.438) 23(2.25,-3.438) 24(2.75,-3.438) 37(2.75,3.438) 38(2.25,3.438) 39(1.75,3.438) 40(1.25,3.438) 41(0.75,3.438) 42(0.25,3.438) 43(-0.25,3.438) 44(-0.75,3.438) 45(-1.25,3.438) 46(-1.75,3.438) 47(-2.25,3.438) 48(-2.75,3.438)
  round 0.5 hole 0.2: 49(-2.55,-2.55) 49(-2.55,0) 49(-2.55,2.55) 49(-1.275,-1.275) 49(-1.275,1.275) 49(0,-2.55) 49(0,0) 49(0,2.55) 49(1.275,-1.275) 49(1.275,1.275) 49(2.55,-2.55) 49(2.55,0) 49(2.55,2.55)
  rrect 5.6x5.6 smd: 49(0,0)
R_0402_1005Metric
  rrect 0.59x0.64 smd: 1(-0.485,0) 2(0.485,0)
R_0603_1608Metric
  rrect 0.8x0.95 smd: 1(-0.825,0) 2(0.825,0)
R_0805_2012Metric_Pad1.20x1.40mm_HandSolder
  rrect 1.2x1.4 smd: 1(-1,0) 2(1,0)
sk6812side
  custom 0.7x1.2 smd: 1(-0.45,0.3)
  custom 0.45x1.2 smd: 2(0.6,0.3)
  custom 0.95x1.2 smd: 3(-1.6,0.3)
  custom 0.975x1.2 smd: 4(1.6,0.3)
SOIC-8_5.23x5.23mm_P1.27mm
  rrect 1.6x0.6 smd: 1(-3.6,1.905) 2(-3.6,0.635) 3(-3.6,-0.635) 4(-3.6,-1.905) 5(3.6,-1.905) 6(3.6,-0.635) 7(3.6,0.635) 8(3.6,1.905)
SolderJumper-2_P1.3mm_Open_RoundedPad1.0x1.5mm
  custom 1x1.5 smd: 1(-0.65,0) 2(0.65,0)
SolderJumper-3_P1.3mm_Bridged12_RoundedPad1.0x1.5mm
  custom 1.05x1.5 smd: 1(-1.3,0) 3(1.3,0)
  rect 1x1.5 smd: 2(0,0)
SolderJumper-3_P1.3mm_Open_RoundedPad1.0x1.5mm_NumberLabels
  custom 1.05x1.5 smd: 1(-1.3,0) 3(1.3,0)
  rect 1x1.5 smd: 2(0,0)
SOP-8_3.9x4.9mm_P1.27mm
  rrect 1.65x0.6 smd: 1(-2.625,1.905) 2(-2.625,0.635) 3(-2.625,-0.635) 4(-2.625,-1.905) 5(2.625,-1.905) 6(2.625,-0.635) 7(2.625,0.635) 8(2.625,1.905)
SOT-23
  rrect 1.475x0.6 smd: 1(-0.938,0.95) 2(-0.938,-0.95) 3(0.938,0)
SOT-23-5
  rrect 1.325x0.6 smd: 1(-1.137,0.95) 2(-1.137,0) 3(-1.137,-0.95) 4(1.137,-0.95) 5(1.137,0.95)
SOT-23-5#2
  rect 1.06x0.65 smd: 1(1.1,-0.95) 2(1.1,0) 3(1.1,0.95) 4(-1.1,0.95) 5(-1.1,-0.95)
SOT-23-6
  rect 1.06x0.65 smd: 1(-1.1,0.95) 2(-1.1,0) 3(-1.1,-0.95) 4(1.1,-0.95) 5(1.1,0) 6(1.1,0.95)
STAB_MX_P_2.25u
  round 4 hole 3.048: (-11.906,6.985) (11.906,6.985)